# Altium PCB GD2.PcbDoc (part 1 of 2)
Units mil, origin at the board's own origin, x right, y up, seen from the top; angles counter-clockwise.
Board outline 3937.01 x 3937.01 mil, 4 copper layers (TOP, GND, PWR, BOT), stack 30.634 mil thick; 156 components, 154 nets, 1017 pads, 485 vias.
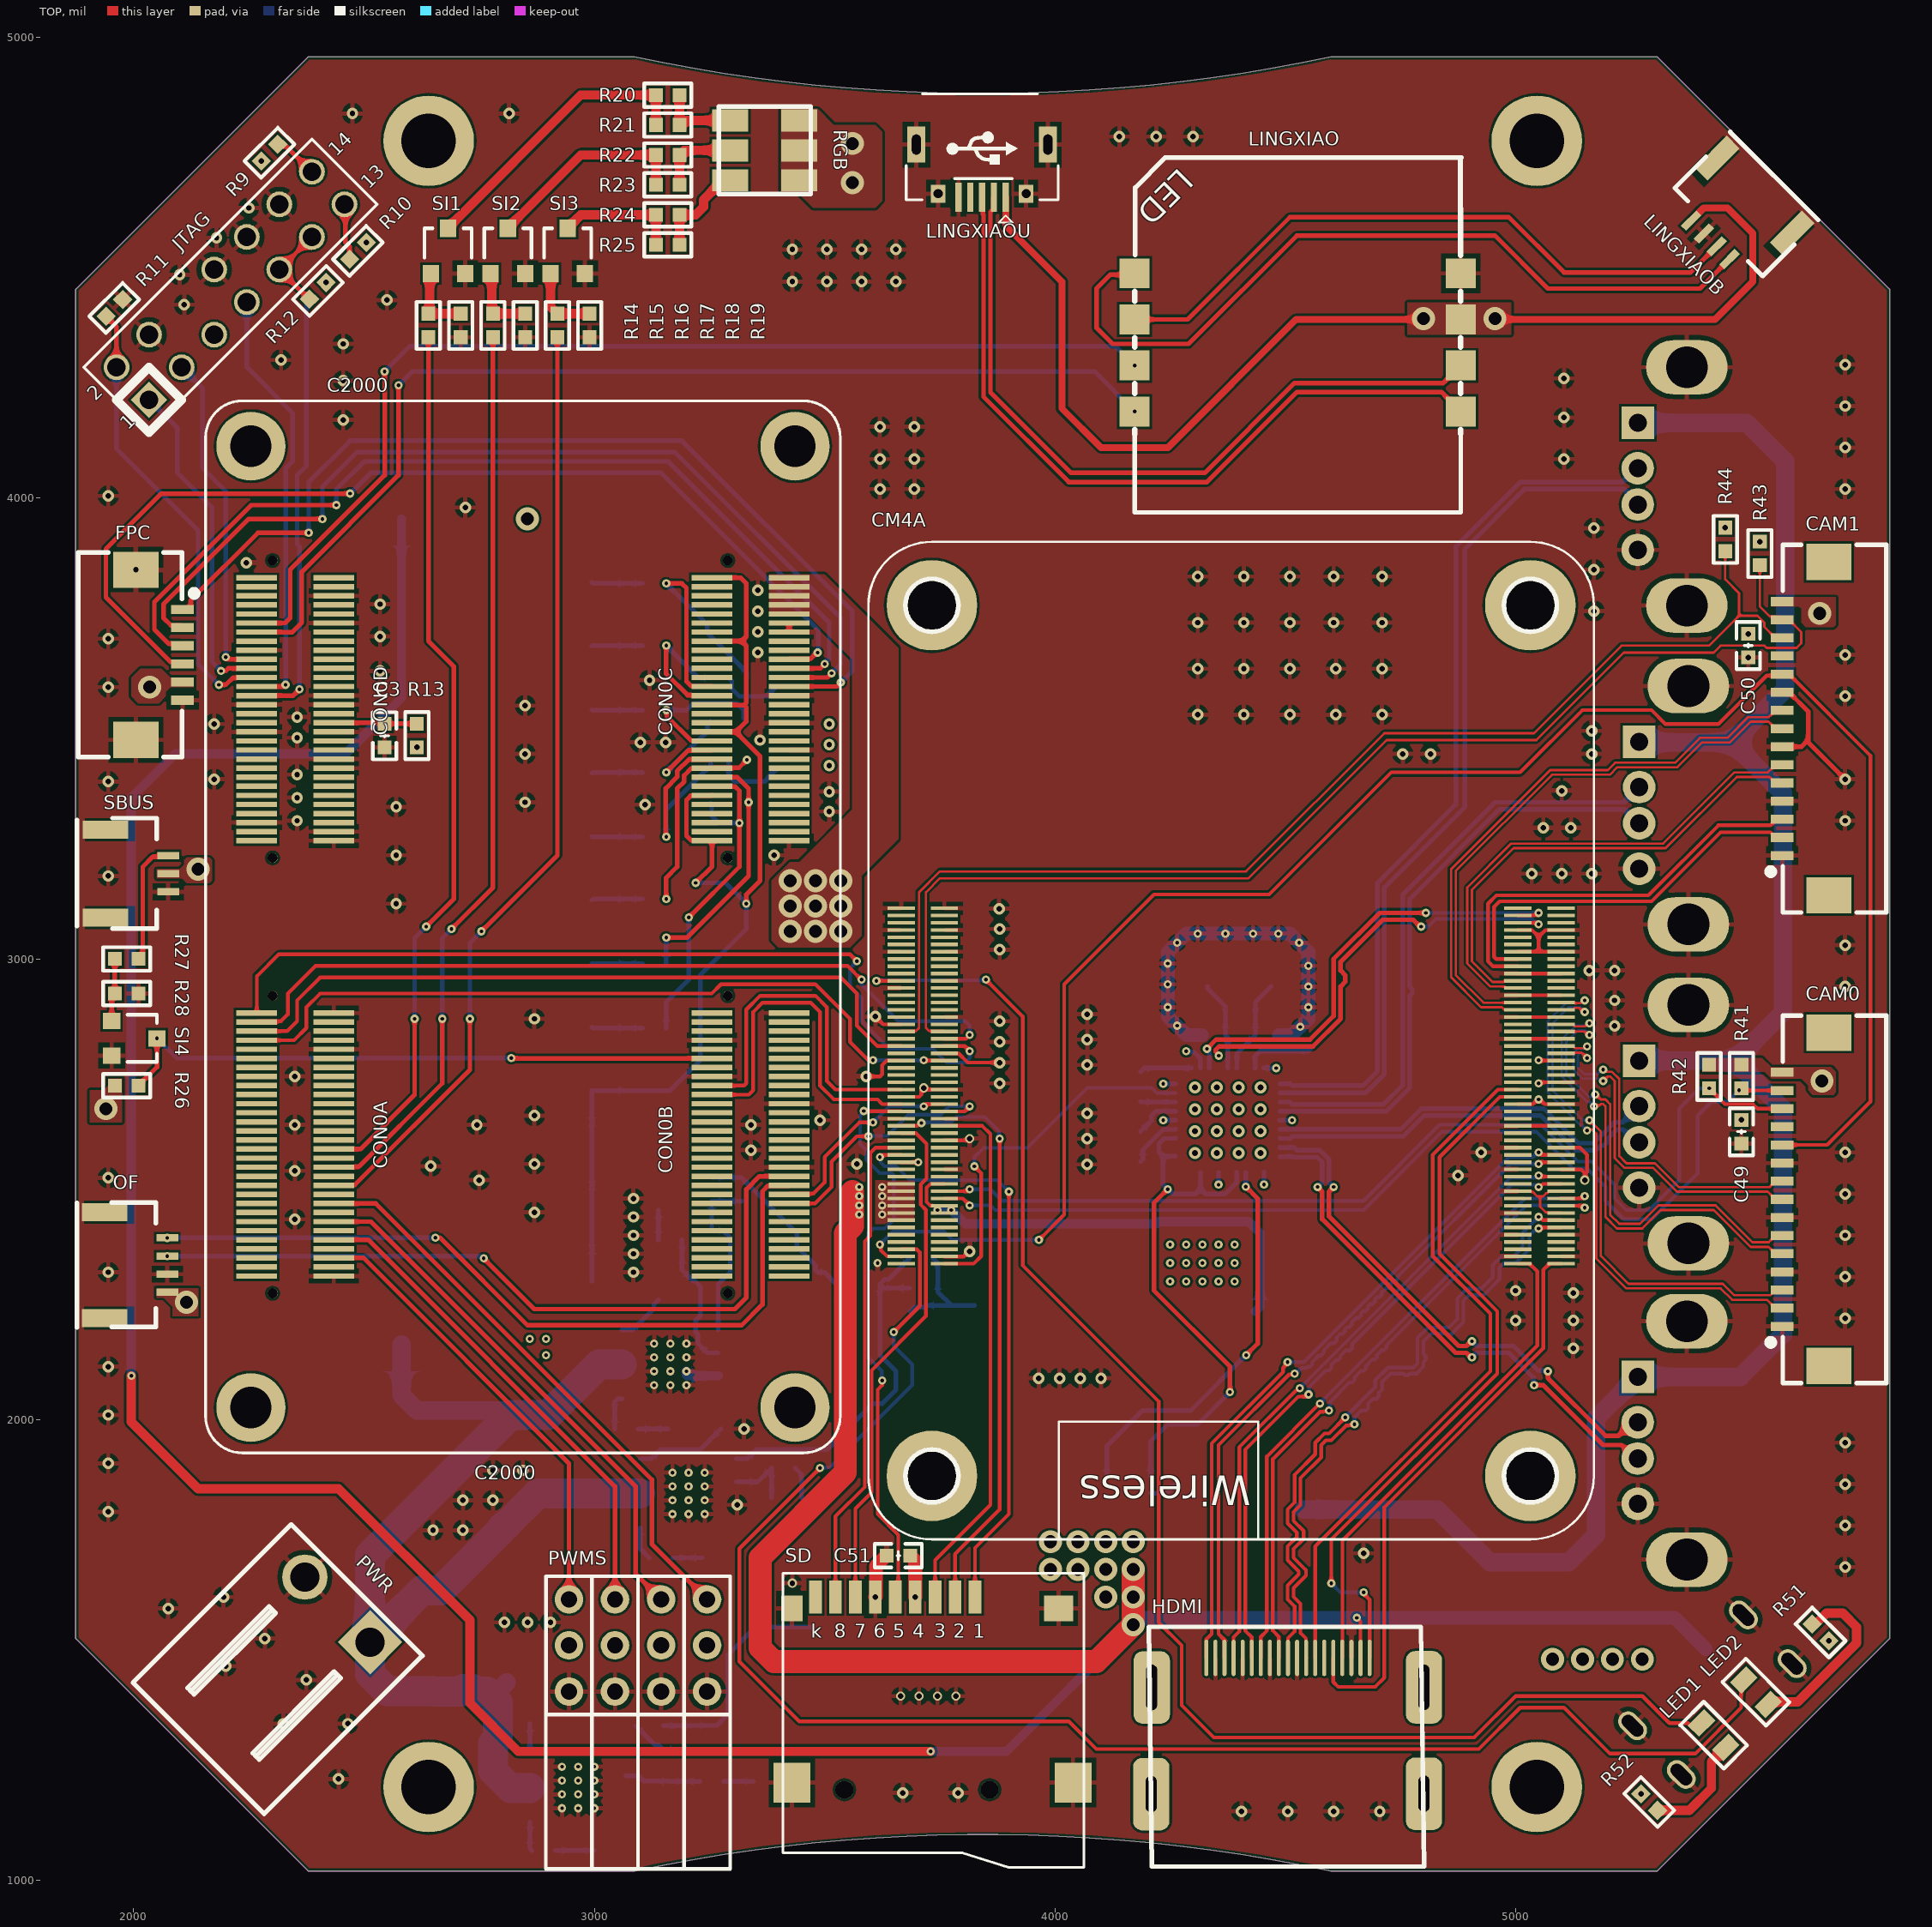
[diagram p0: TOP view]
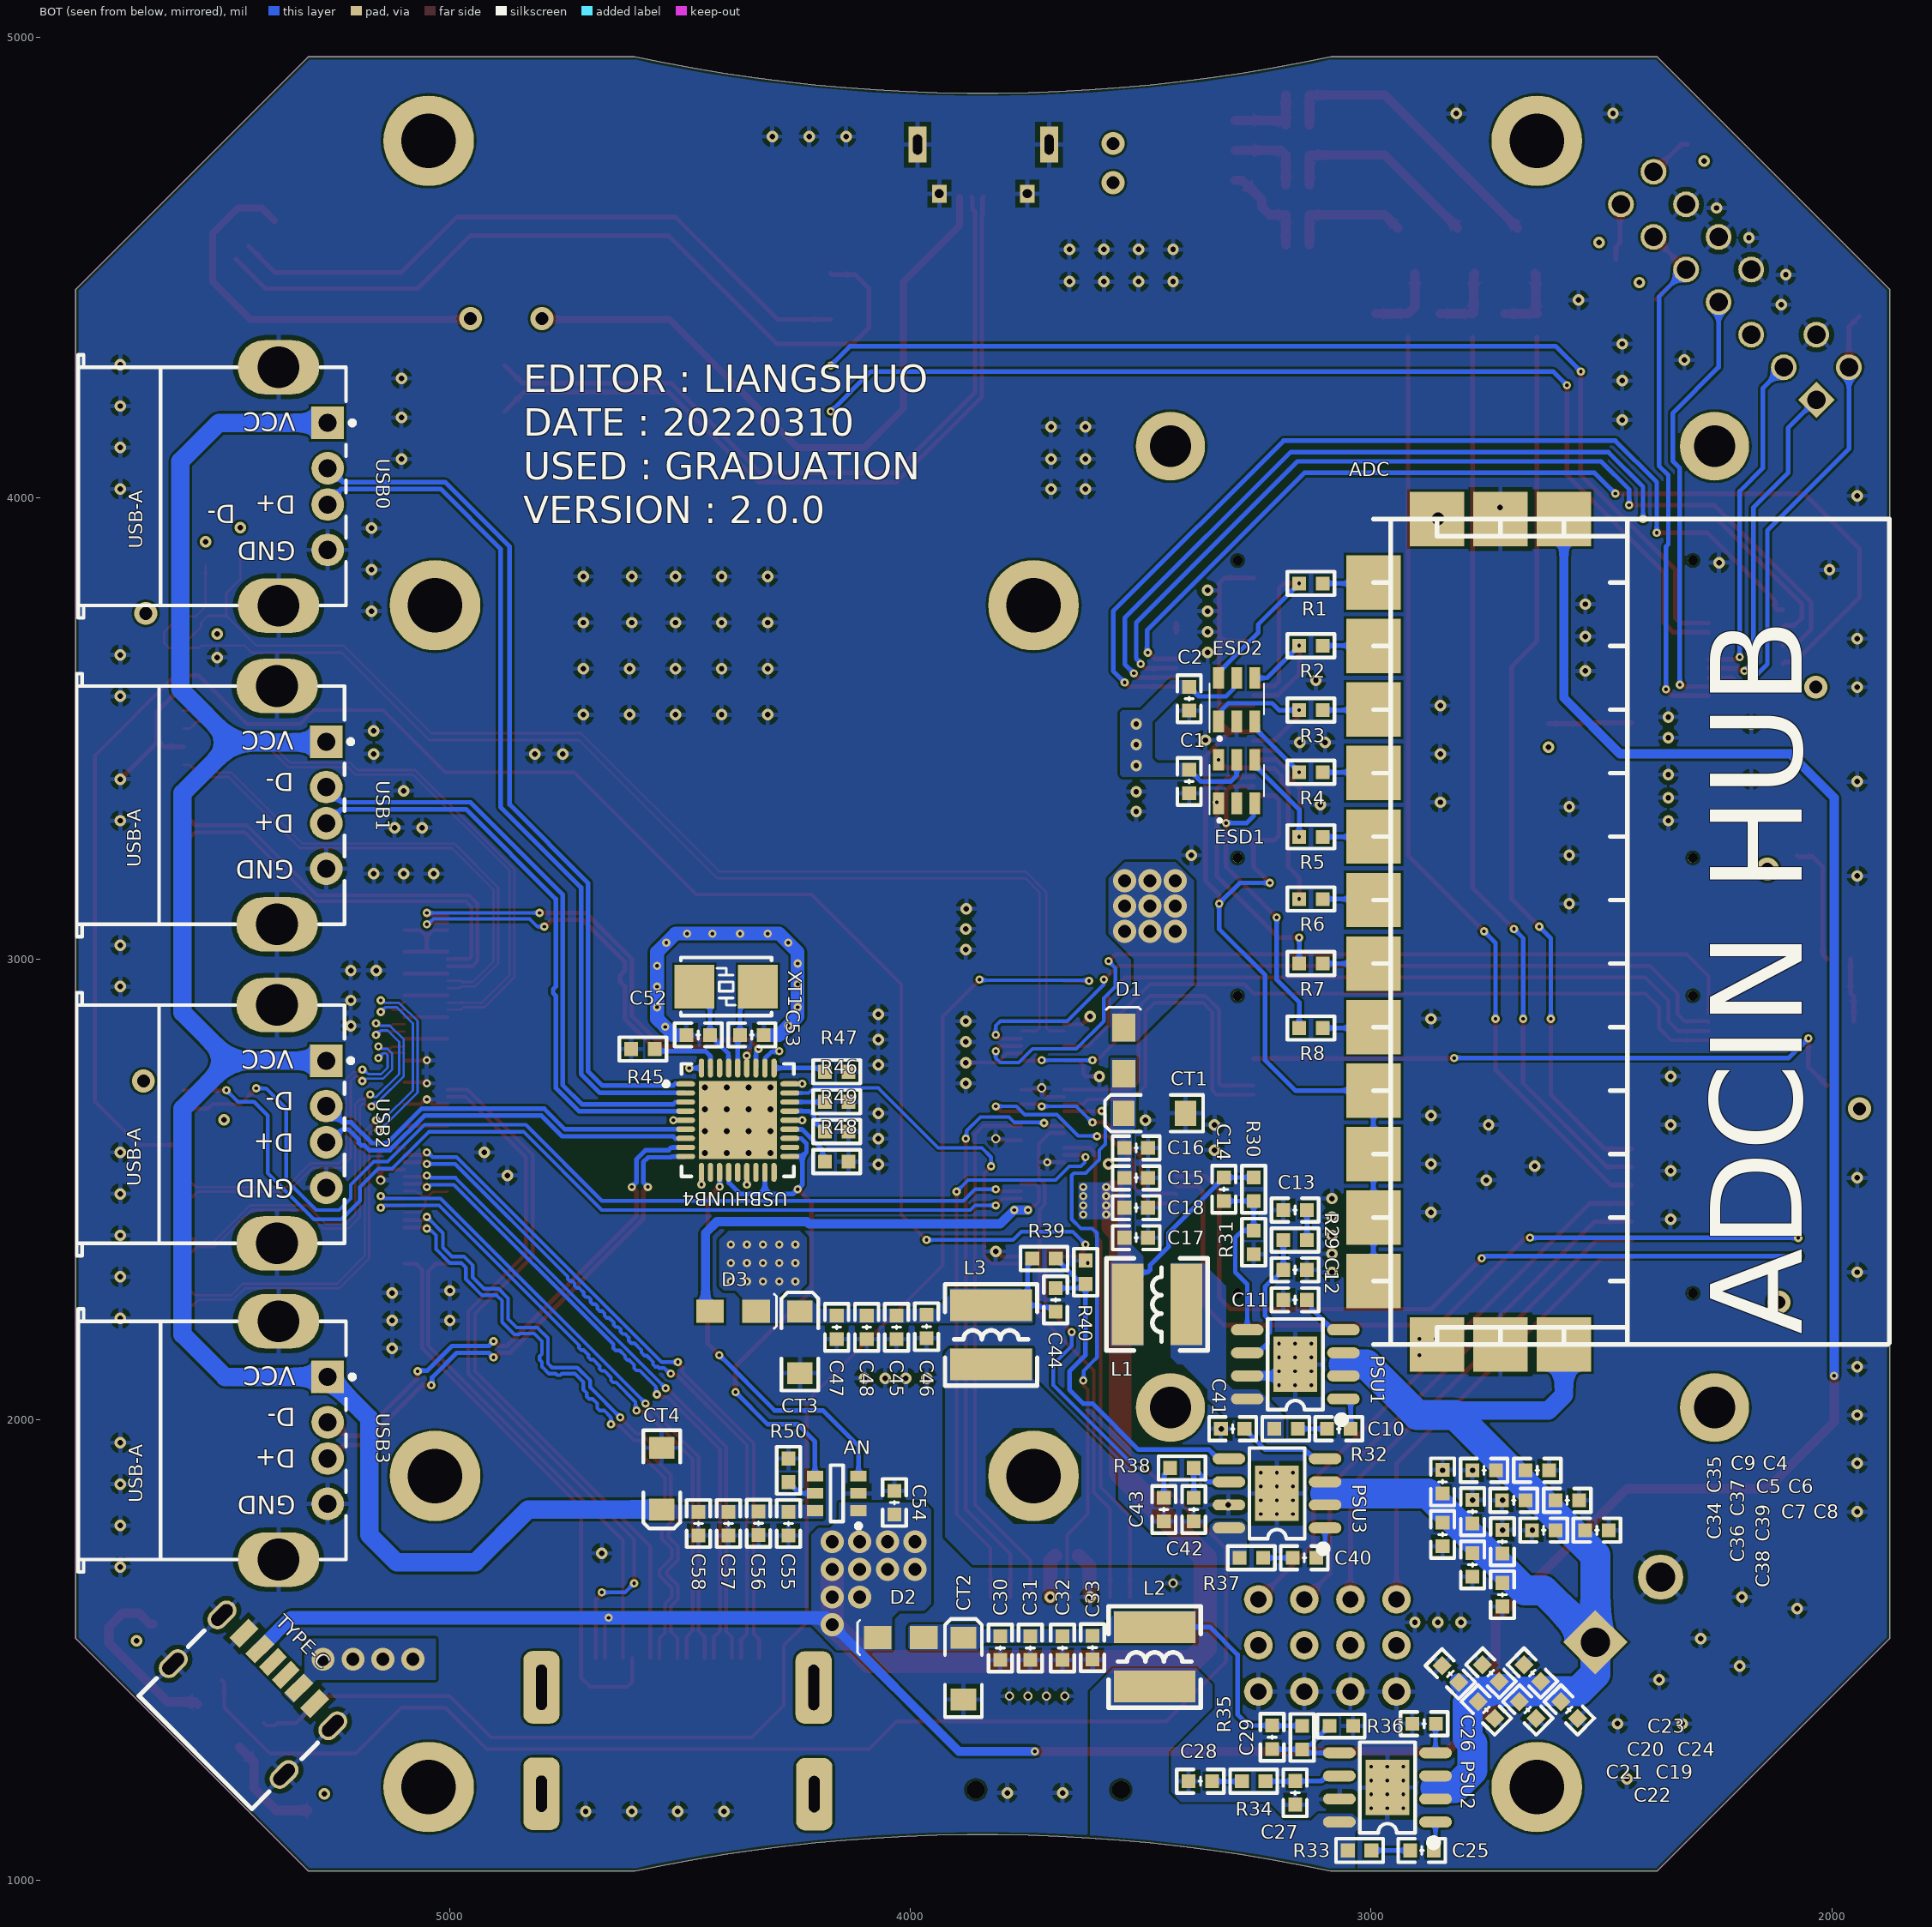
[diagram p1: BOT view, seen from below]
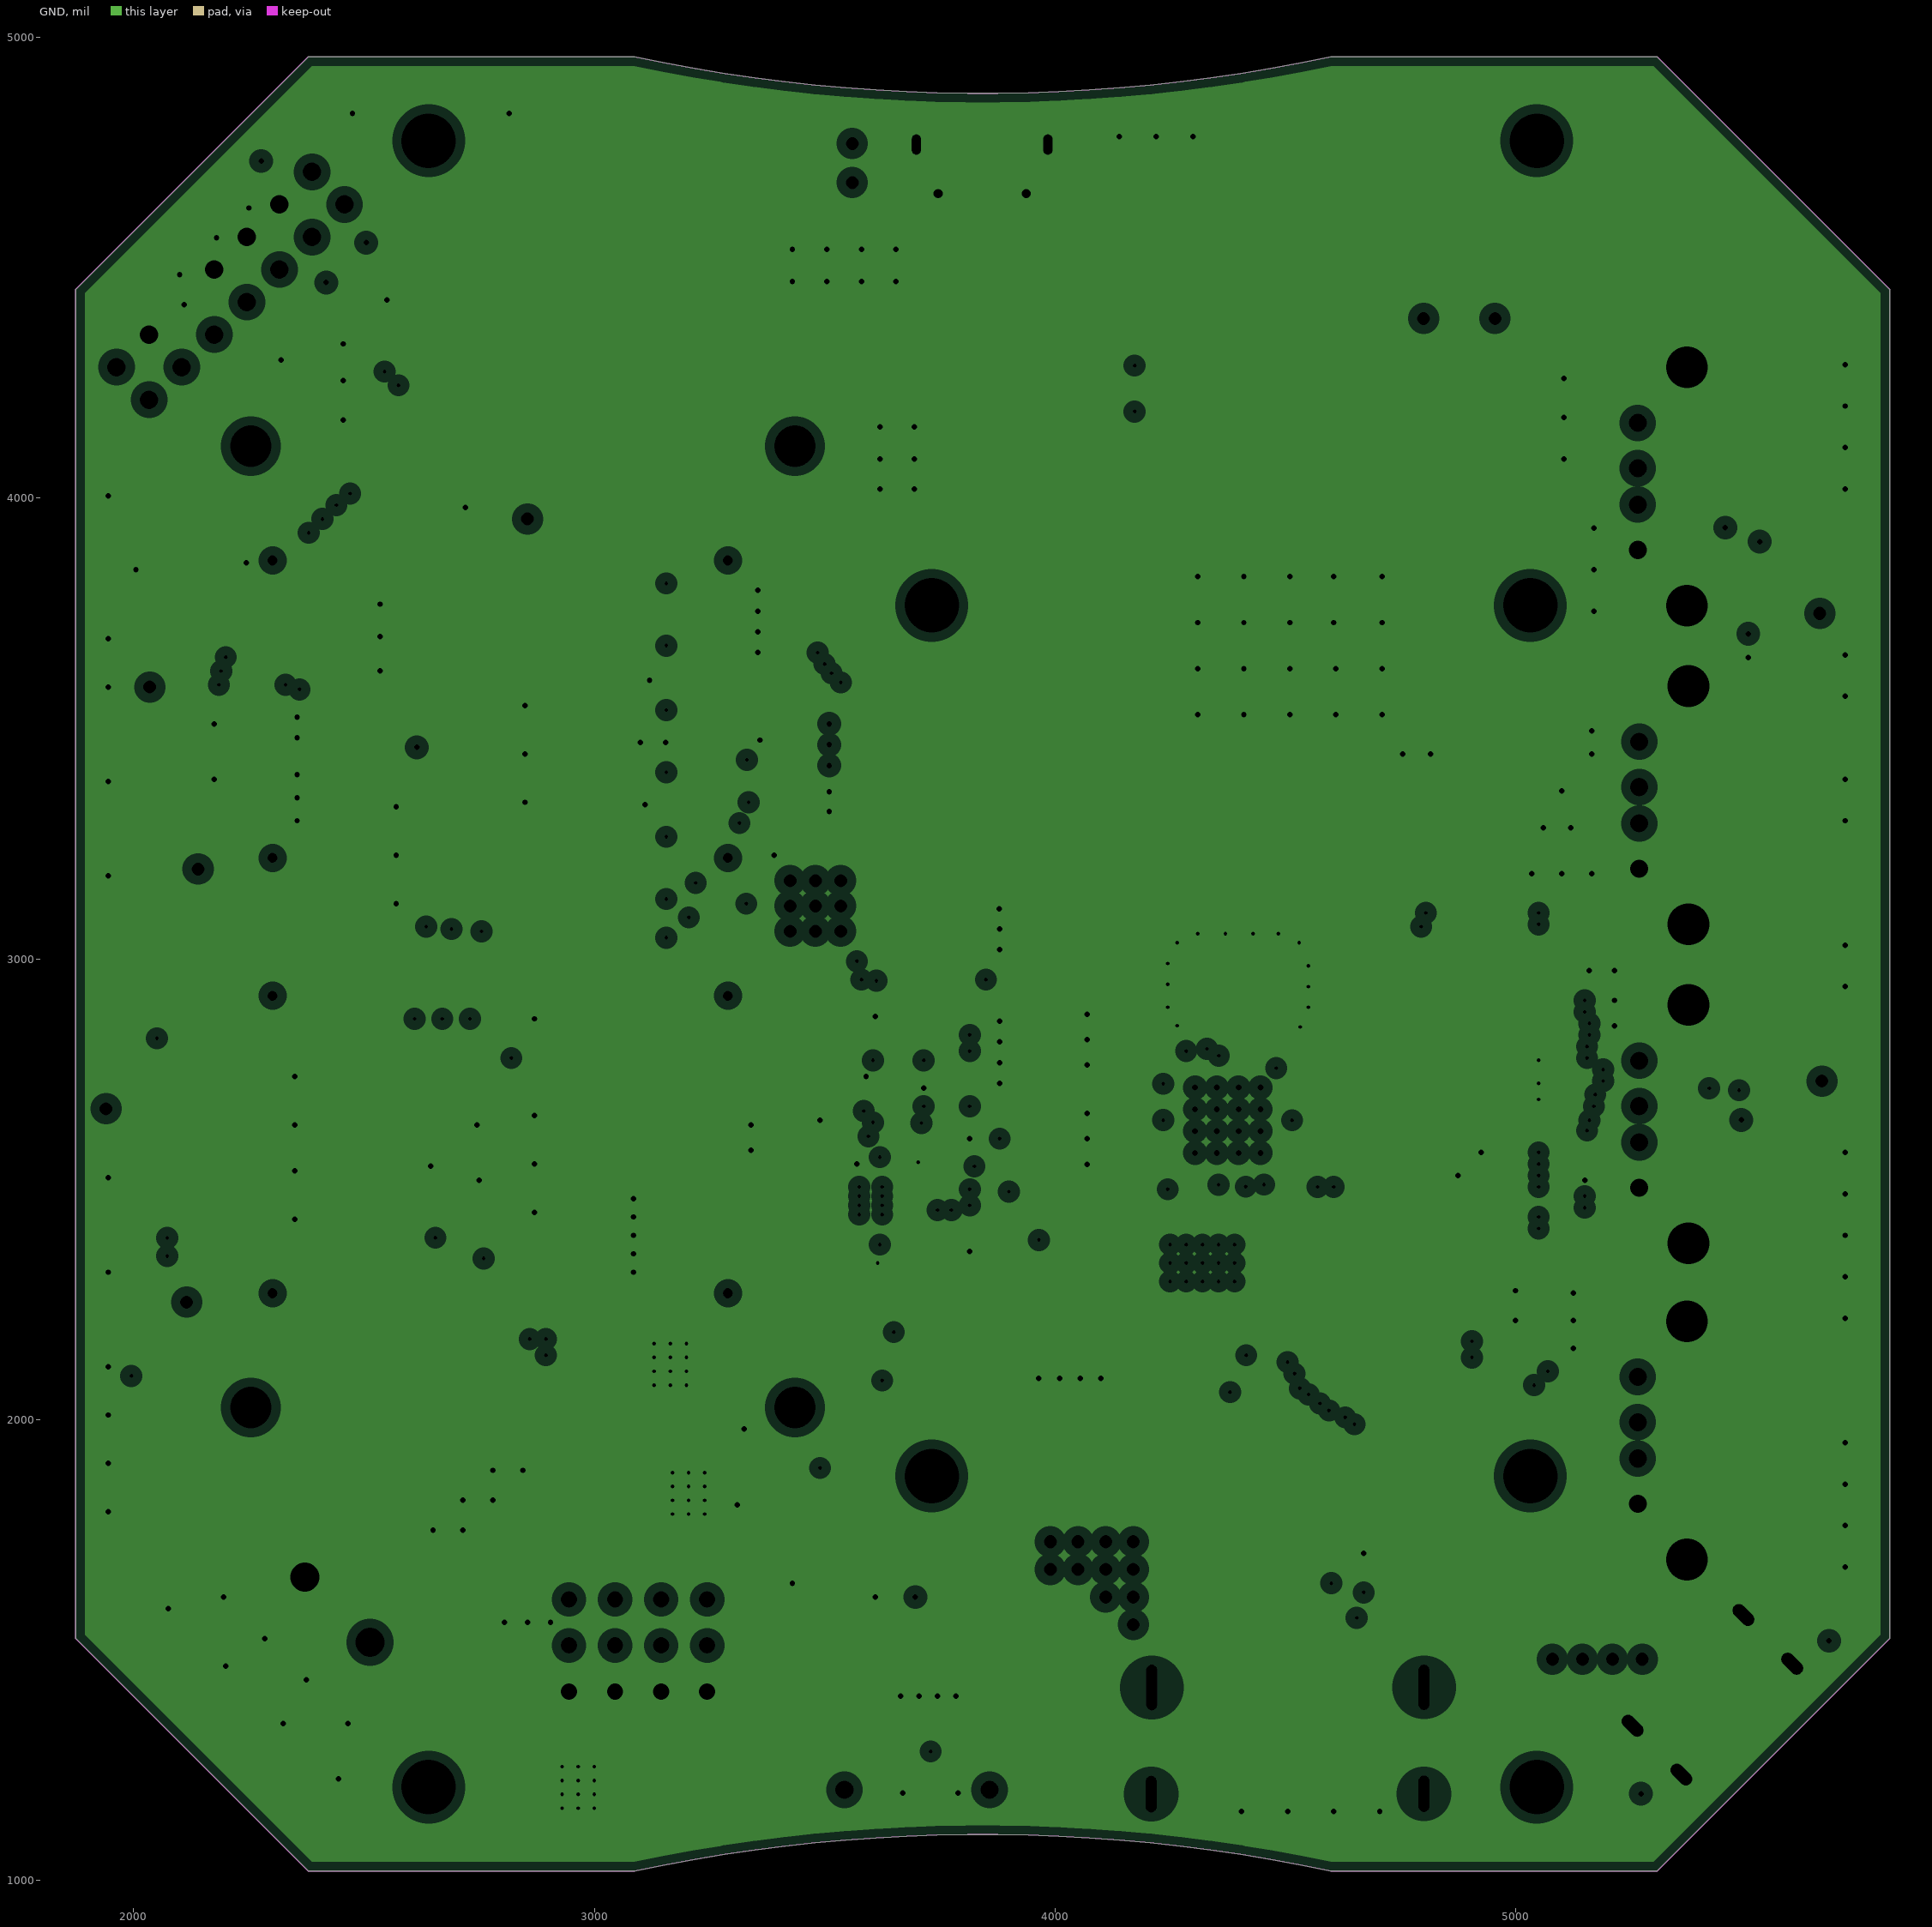
[diagram p2: GND, clearances drawn from the general rule]
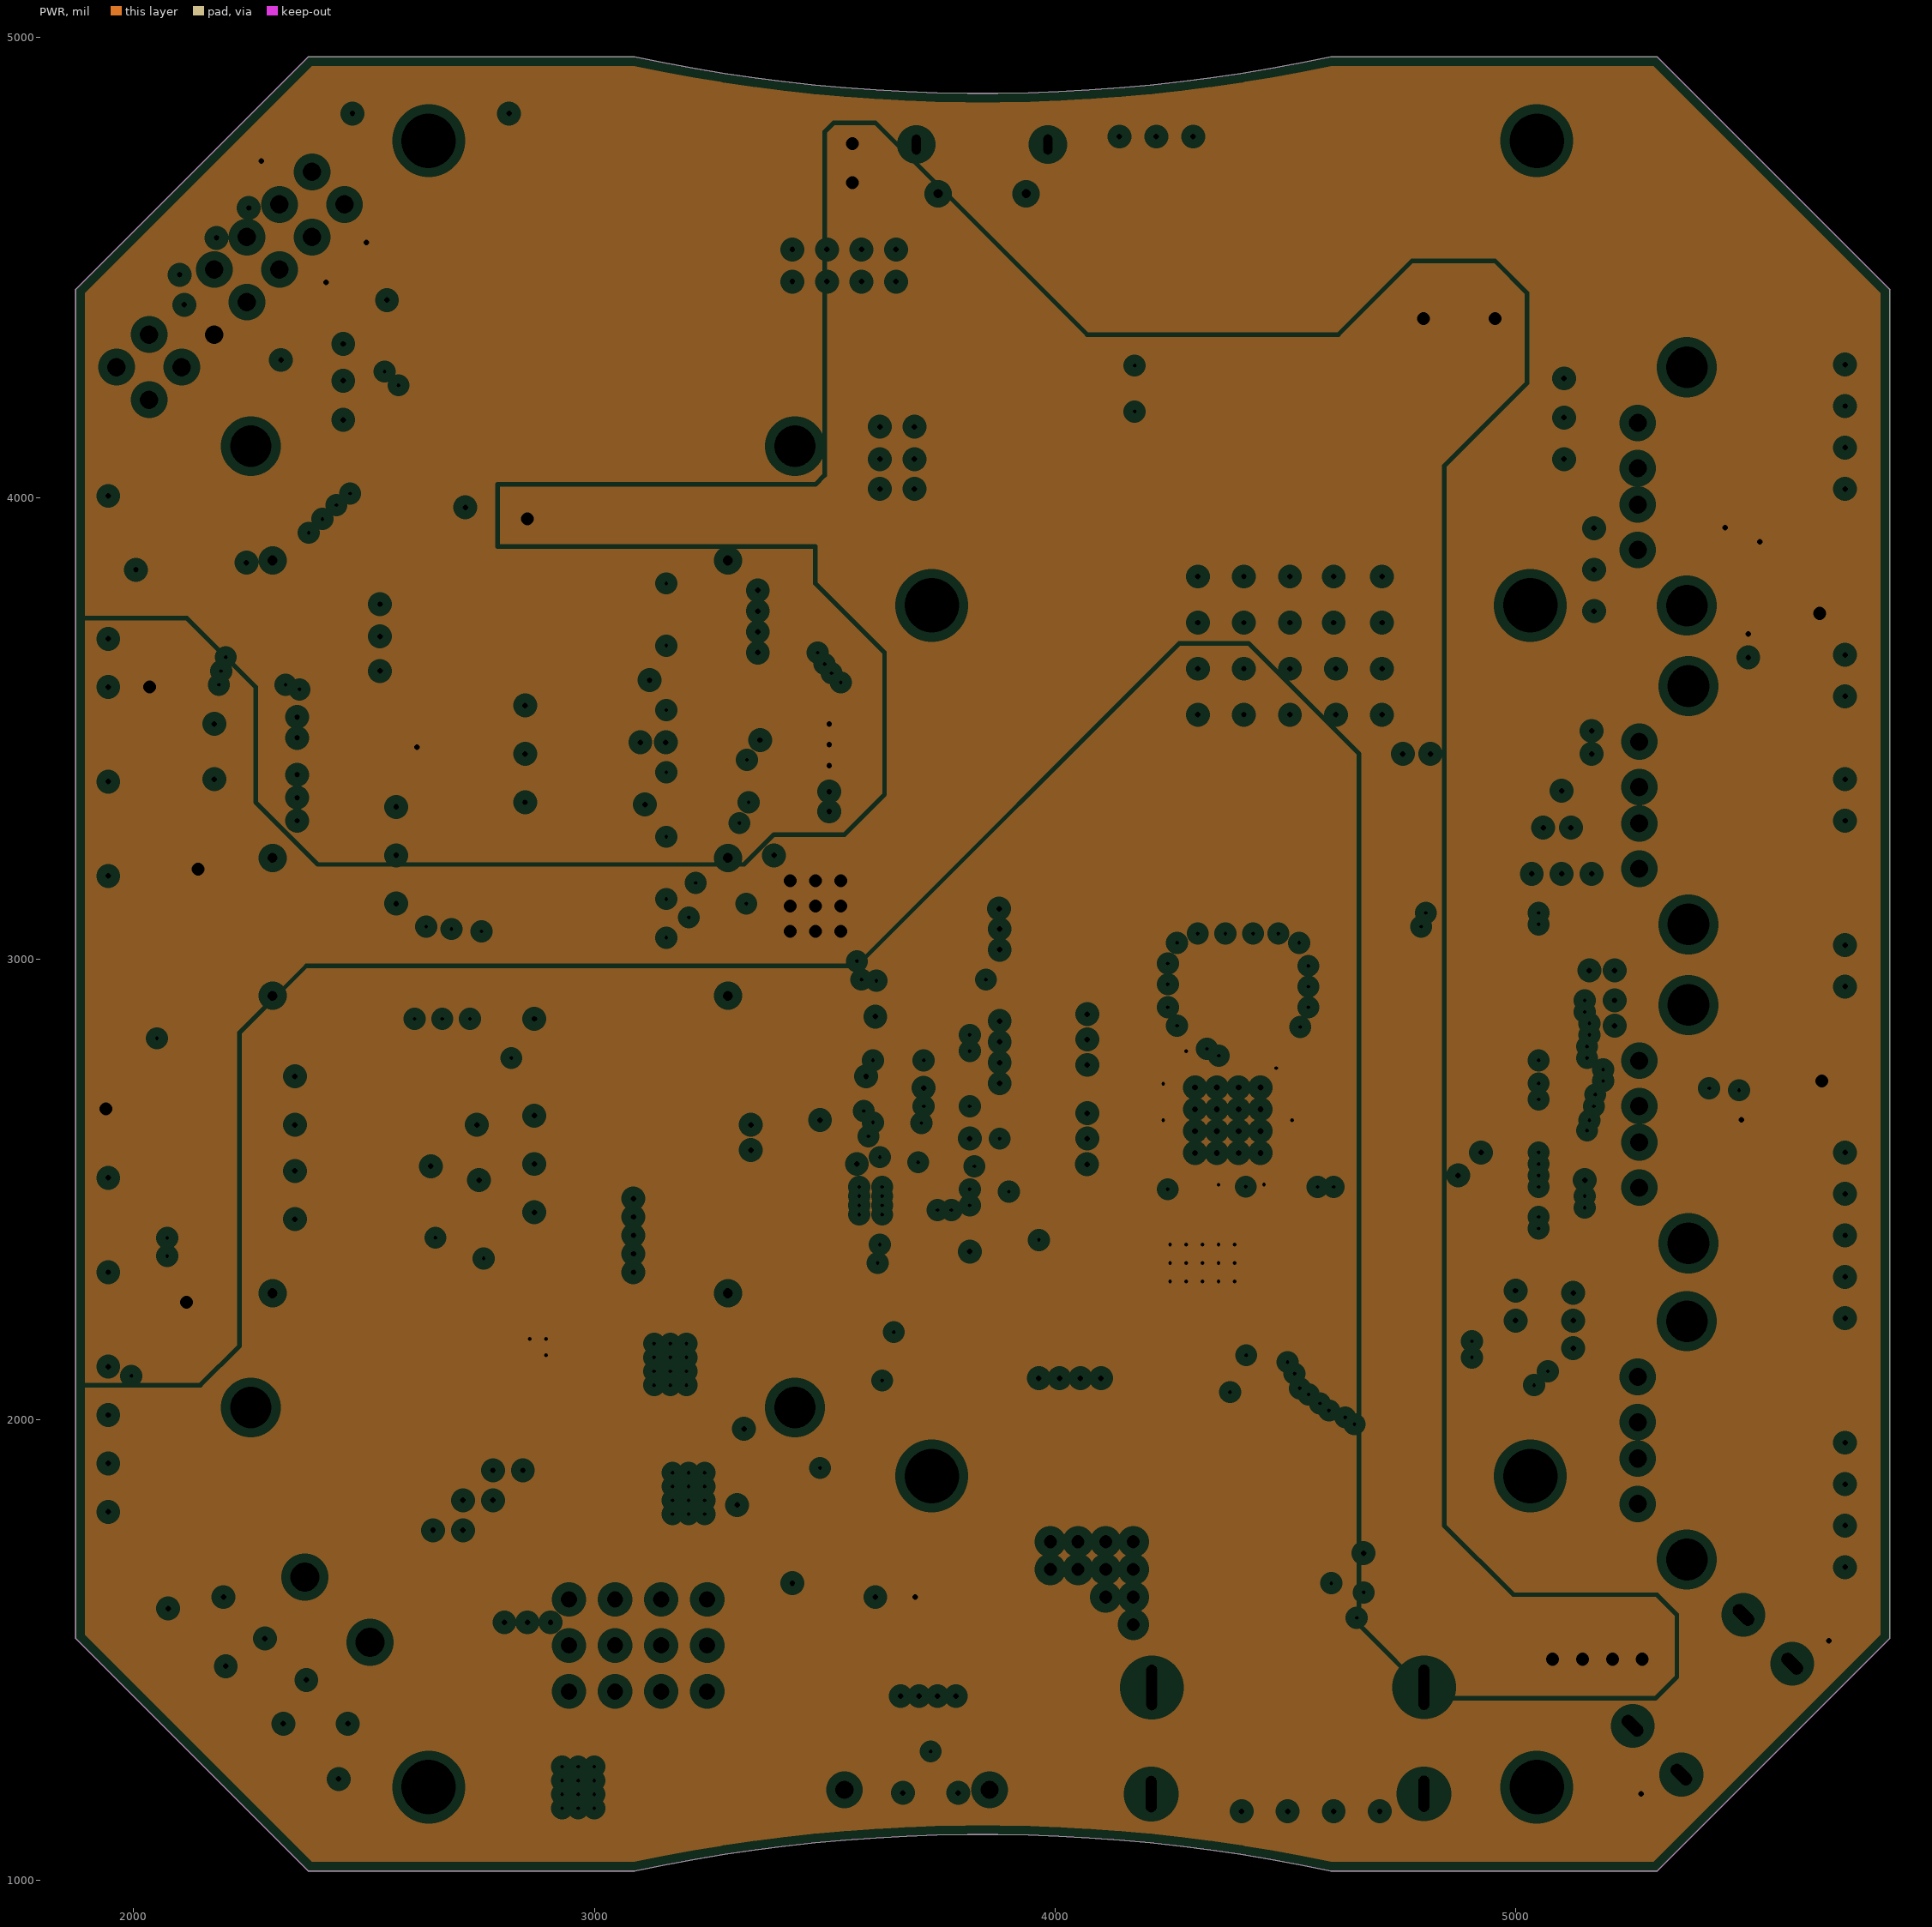
[diagram p3: PWR, clearances drawn from the general rule]

## Layer stack, top to bottom
Top Solder: solder mask 0.4, Solder Resist, Dk 3.5
TOP: signal copper 1.4
Dielectric 1: core 10, FR-4, Dk 4.2
GND: plane copper 1.417, net GND
Dielectric 3: prepreg 5, Dk 4.2
PWR: plane copper 1.417, net A3.3V
Dielectric 2: core 10, Dk 4.2
BOT: signal copper 1.4
Bottom Solder: solder mask 0.4, Solder Resist, Dk 3.5

## Board outline
1874.68,1525.13 2379.16,1020.65 3088.12,1020.65 cw(c3843.19,-2560.24) 4598.25,1020.65 5307.21,1020.65 5811.69,1525.13 5811.69,4453.18 5307.21,4957.66 4598.25,4957.66 cw(c3843.19,8538.55) 3088.12,4957.66 2379.16,4957.66 1874.68,4453.18

## Design rules (kind name [scope] priority, off if disabled: settings)
Clearance [All] p1: gap=5 ignorepadtopadclearanceinfootprint=TRUE
ComponentClearance [All] p1: gap=10 collisioncheckmode=3 verticalgap=10 showdistances=TRUE
PlaneClearance [All] p1: clearance=20
PlaneConnect [All] p1: planeconnectstyle=Relief reliefexpansion=20 reliefentries=4 reliefconductorwidth=60 reliefairgap=10
PolygonConnect [All] p1: connectstyle=Relief reliefconductorwidth=10 reliefentries=4 polygonreliefangle="90 Angle" airgapwidth=10
RoutingVias [All] p1: holewidth=8 width=18 viastyle="Through Hole" minholewidth=8 minwidth=18 maxholewidth=50 maxwidth=100
SolderMaskExpansion [All] p1: expansion=4
Width [All] p1: maxlimit=200 minlimit=4 preferedwidth=5
27 further rules are at their usual default settings.

## Classes and differential pairs
net class NewClass: A3.3V

## Components (designator, comment, footprint, x,y, rotation, side; value= is the part's Value field where it differs from the comment)
ADC "ADCMOD" ADCMOD 2707.48,4249.13 r180 bottom locked
AN "AP22653" SOT23-6 4160,1840 r0 bottom locked
C1 "0.1UF/50V" C0603_L 3395,3385 r90 bottom locked
C2 "0.1UF/50V" C0603_L 3395,3565 r90 bottom locked
C3 "0.1UF" C0603_L 2545,3484.41 r90 top locked
C4 "10UF35V" C0603_L 2639.41,1890 r0 bottom locked
C5 "10UF35V" C0603_L 2690.59,1825 r180 bottom locked
C6 "10UF35V" C0603_L 2574.41,1825 r0 bottom locked
C7 "10UF35V" C0603_L 2625.59,1760 r180 bottom locked
C8 "10UF35V" C0603_L 2510,1760 r0 bottom locked
C9 "10UF35V" C0603_L 2755,1890 r180 bottom locked
C10 "100NF" C0603_L 3070,1980 r0 bottom locked
C11 "100NF" C0603_L 3165,2260 r180 bottom locked
C12 "1NF" C0603_L 3165,2325 r0 bottom locked
C13 "1.2NF" C0603_L 3165,2455 r180 bottom locked
C14 "1NF" C0603_L 3319.59,2499.82 r90 bottom locked
C15 "10UF" C0603_L 3510,2525 r0 bottom locked
C16 "10UF" C0603_L 3510,2590 r0 bottom locked
C17 "10UF" C0603_L 3510,2395 r0 bottom locked
C18 "10UF" C0603_L 3510,2460 r0 bottom locked
C19 "10UF35V" C0603_L 2660,1370 r45 bottom locked
C20 "10UF35V" C0603_L 2740,1450 r225 bottom locked
C21 "10UF35V" C0603_L 2828.09,1448.1 r225 bottom locked
C22 "10UF35V" C0603_L 2750,1370 r45 bottom locked
C23 "10UF35V" C0603_L 2650,1450 r225 bottom locked
C24 "10UF35V" C0603_L 2570,1370 r45 bottom locked
C25 "100NF" C0603_L 2890,1065 r0 bottom locked
C26 "100NF" C0603_L 2885,1340 r180 bottom locked
C27 "1NF" C0603_L 3165,1190 r90 bottom locked
C28 "1.2NF" C0603_L 3370.59,1215 r180 bottom locked
C29 "1NF" C0603_L 3215,1310.59 r90 bottom locked
C30 "10UF" C0603_L 3805,1504.41 r90 bottom locked
C31 "10UF" C0603_L 3740,1504.41 r90 bottom locked
C32 "10UF" C0603_L 3670,1504.41 r90 bottom locked
C33 "10UF" C0603_L 3605,1505 r90 bottom locked
C34 "10UF35V" C0603_L 2845,1750.59 r90 bottom locked
C35 "10UF35V" C0603_L 2845,1865 r270 bottom locked
C36 "10UF35V" C0603_L 2780,1685 r90 bottom locked
C37 "10UF35V" C0603_L 2780,1800 r270 bottom locked
C38 "10UF35V" C0603_L 2715,1620 r90 bottom locked
C39 "10UF35V" C0603_L 2715,1735 r270 bottom locked
C40 "100NF" C0603_L 3145,1700 r0 bottom locked
C41 "100NF" C0603_L 3300.59,1980 r180 bottom locked
C42 "1NF" C0603_L 3385,1805 r90 bottom locked
C43 "1.2NF" C0603_L 3450,1805 r90 bottom locked
C44 "1NF" C0603_L 3685,2260 r270 bottom locked
C45 "10UF" C0603_L 4030,2200.59 r90 bottom locked
C46 "10UF" C0603_L 3965,2201.91 r90 bottom locked
C47 "10UF" C0603_L 4160,2200.59 r90 bottom locked
C48 "10UF" C0603_L 4095,2200.59 r90 bottom locked
C49 "0.1UF" C0603_L 5490,2625 r270 top locked
C50 "0.1UF" C0603_L 5505,3680 r270 top locked
C51 "0.1UF" C0603_L 3660,1705 r0 top locked
C52 "27PF" C0603_L 4460.59,2835 r180 bottom locked
C53 "27PF" C0603_L 4344.41,2835 r0 bottom locked
C54 "10UF" C0603_L 4035,1820 r270 bottom locked
C55 "10UF" C0603_L 4265,1774.41 r90 bottom locked
C56 "10UF" C0603_L 4330,1775 r90 bottom locked
C57 "10UF" C0603_L 4395,1774.41 r90 bottom locked
C58 "10UF" C0603_L 4460,1774.41 r90 bottom locked
C2000 "28379D" 28379D 2832.13,3155.07 r90 top locked
CAM0 "CON-15P" FPC1.0-WT-15P 5680,2478.19 r90 top locked
CAM1 "CON-15P" FPC1.0-WT-15P 5680,3500 r90 top locked
CM4A "CM4" CM4 4400,2840 r90 top locked
CT1 "100uF/6.3V" C_3216 3470,2665 r180 bottom locked
CT2 "100uF/6.3V" C_3216 3885,1459.41 r270 bottom locked
CT3 "100uF/6.3V" C_3216 4240,2168.07 r270 bottom locked
CT4 "100uF/6.3V" C_3216 4540,1871.93 r90 bottom locked
D1 "IN5822" IN5819 3535,2800 r0 bottom locked
D2 "IN5822" IN5819 4020,1529.41 r270 bottom locked
D3 "IN5822" IN5819 4386,2232.72 r90 bottom locked
ESD1 "NUP4201MR6U7" TSOP-6 3290,3385 r180 bottom locked
ESD2 "NUP4201MR6U7" TSOP-6 3290,3562.76 r180 bottom locked
FPC "CON-6P" FPC1.0-WT-6P 2005,3660 r270 top locked
HDMI "HDMI" HDMI_A 4505,1335 r270 top locked